# Allegro board RK3588_Template_LP4XD200P232SD10_32R6X52R0_2133MHz_H0R80_V10_20230220.brd (continued)
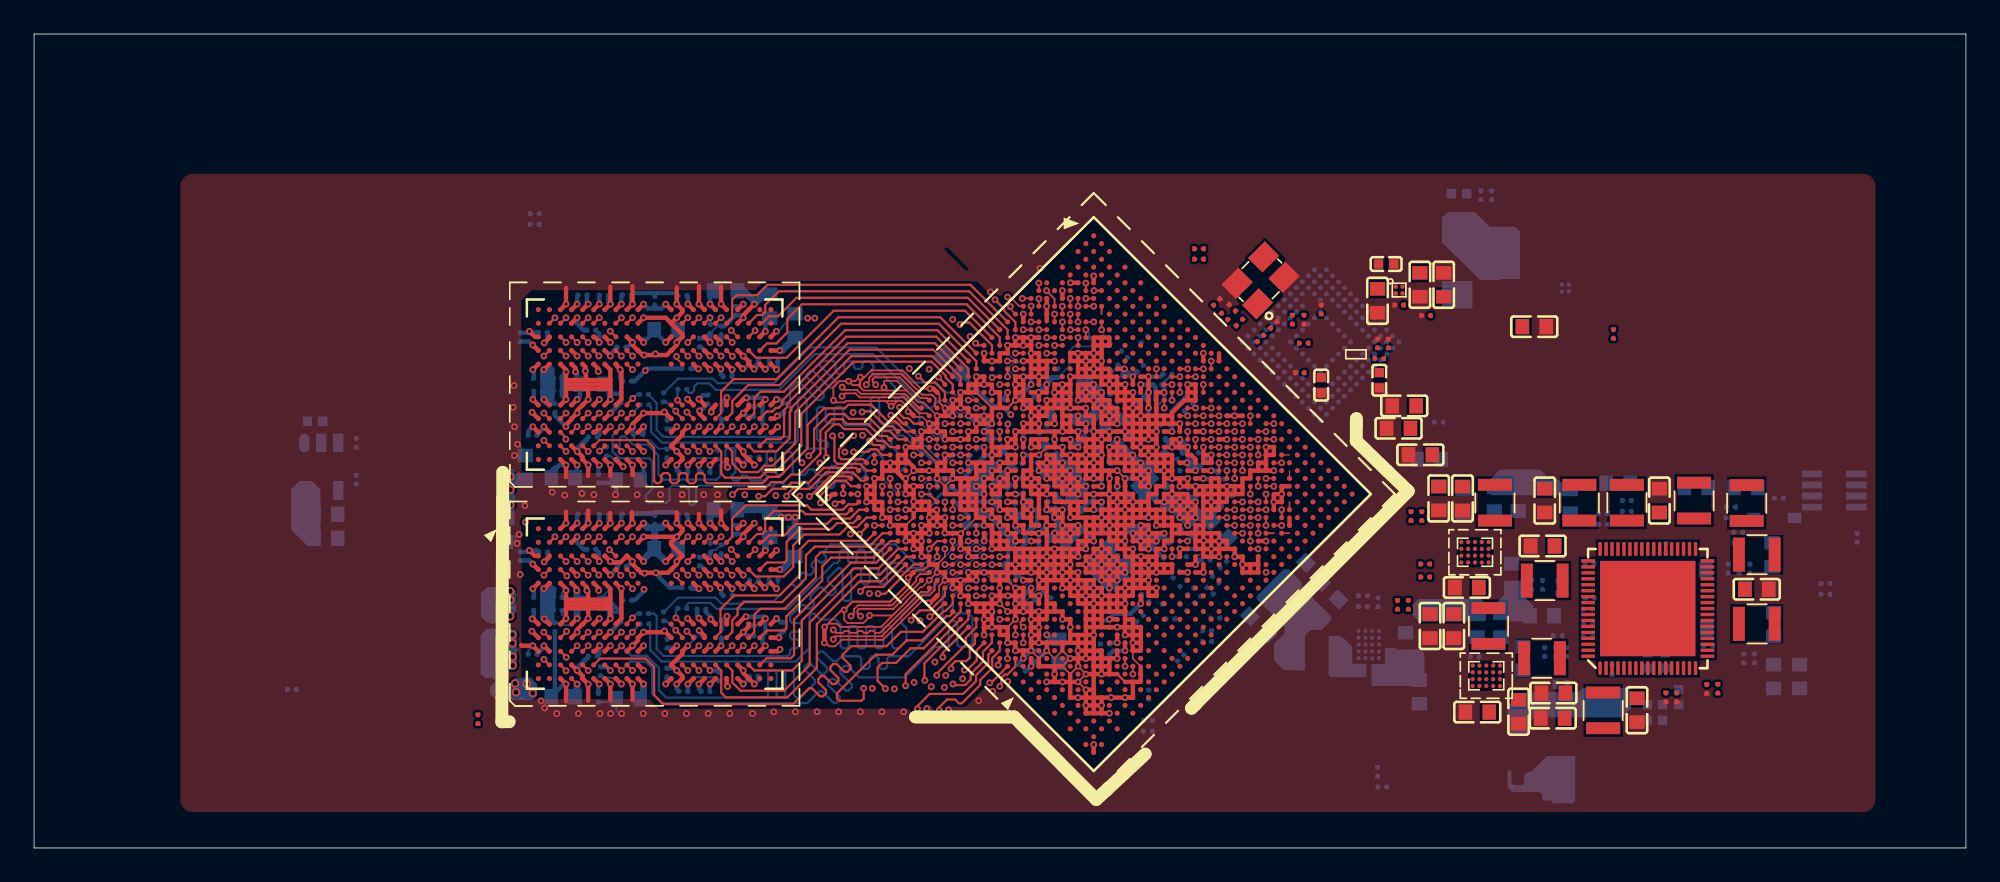
[diagram p0: board, top side]
## Routing (per net, layer and track width the routed paths; a pad name or vN(x,y) marks a point on that pad's centre or on a via; arc(x,y) is an arc through that point) (continued)
VCC_1V8_S0: length 34.7
  TOP w0.089: v1(58.97,14.81) 58.97,14.81 U1000.AA7
  TOP w0.254: v1(58.51,15.27) U1000.Y7 v1(58.97,14.81) 58.97,14.35 U1000.AA7 ; U1000.G20 v1(58.96,26.76) ; v1(58.96,26.76) U1000.H21 v1(59.43,27.22) ; v1(58.96,26.76) 58.97,26.74 U1000.H20 ; U1000.AJ20 68.63,16.2 v1(68.63,16.18) U1000.AJ19 ; v1(66.79,23.54) U1000.W26 v1(67.25,24) U1000.Y26 ; v1(66.79,23.54) U1000.W25 ; v1(66.79,23.54) U1000.Y26 ; U1000.Y26 67.71,23.54 v1(67.71,23.54) U1000.AA26 67.91,23.08 68.17,22.82 U1000.AB26 ; v1(68.63,21.7) U1000.AC25
  L6-S2 w0.203: v1(68.63,21.7) 68.63,20.19 69.19,19.63 69.19,18.83 69,18.64 68.44,18.64 68.19,18.38 68.19,17.2 68.63,16.76 v1(68.63,16.18)
  L8_S3 w0.254: v1(68.63,21.7) 68.63,22.62 v1(67.71,23.54) 67.71,23.54 v1(67.25,24) v1(66.79,23.54)
  BOTTOM w0.084: C4001.1 67.45,23.28 v1(67.71,23.54)
  BOTTOM w0.089: C4006.1 58.72,26.47 58.96,26.71 v1(58.96,26.76) ; C3995.1 60.74,28.28 60.74,29.16 61.03,29.46 62.12,29.46 62.26,29.59 63.1,29.59 R3839.1
  BOTTOM w0.254: 67.2,23.95 v1(67.25,24) 67.42,23.83 ; 67.2,23.95 66.93,23.95 ; 67.2,23.95 67.16,23.91 67.16,23.54 ; C4008.1 66.38,23.95 ; 66.38,23.95 66.61,23.72 ; 66.38,23.95 66.93,23.95 ; C3995.1 59.83,27.63 ; 59.83,27.63 59.5,27.63 C3999.1 59.47,27.26 ; 59.83,27.63 59.83,27.61 59.47,27.26 ; 66.93,23.95 66.93,23.6 66.99,23.54 ; 67.16,23.54 66.99,23.54 ; 67.16,23.54 67.37,23.33 67.37,23.18 67.58,23.38 ; 67.16,23.54 67.42,23.79 67.42,23.83 ; 66.99,23.54 v1(66.79,23.54) 66.61,23.72 ; 67.58,23.38 67.24,23.72 66.61,23.72 ; 67.58,23.38 67.71,23.51 v1(67.71,23.54) 67.42,23.83 67.42,23.83 ; C4007.1 68.93,21.68 68.65,21.68 v1(68.63,21.7) ; C4006.1 58.69,26.49 v1(58.96,26.76) 58.97,26.76 v1(59.43,27.22) 59.47,27.26 ; C3972.1 58.23,14.98 58.51,15.27 v1(58.51,15.27) ; 58.69,14.53 58.96,14.81 v1(58.97,14.81) 59.22,15.05 C3986.1
VCC_1V8_S3: length 47.5
  TOP w0.254: U3801.G4 v1(33.82,25.54) ; U3801.G9 v1(33.82,28.89) ; v1(39.06,25.67) 39.06,25.5 U3801.T4 ; U3801.T9 v1(39.67,28.89) ; U3800.F1 v1(33.17,9.62) ; U3801.U12 v1(39.67,31.94) ; U3800.G4 v1(33.82,12.67) ; v1(66.79,24.46) 66.33,24.46 U1000.V26 ; U3800.U1 v1(39.67,9.62) ; U3800.F12 v1(33.17,19.07) ; U3801.F1 v1(33.17,22.49) ; U3800.T9 v1(39.67,16.02) ; v1(65.41,25.84) U1000.R27 v1(65.41,26.76) U1000.P28 v1(65.41,27.67) U1000.N28 ; U3800.G9 v1(33.82,16.02) ; U3800.U12 v1(39.67,19.07) ; U3801.F12 v1(33.17,31.94) ; v1(39.04,12.77) 39.35,12.46 U3800.T4 ; U3801.U1 v1(39.67,22.49)
  L3-POWER1 w0.254: v1(65.41,25.84) 65.41,26.14 ; 65.41,26.15 65.41,26.04 ; 65.41,26.15 v1(65.41,26.76) v1(65.41,27.68)
  L4-S1 w0.254: v1(33.82,12.67) 33.82,12.77 34.15,13.1 35.51,13.1 35.58,13.17
  L8_S3 w0.254: v1(33.17,9.62) 33.57,10.02 39.27,10.02 v1(39.67,9.62) ; v1(39.67,22.49) 39.26,22.9 38.21,22.9 38.21,22.9 37.89,22.9 37.88,22.9 37.56,22.9 37.56,22.9 35.94,22.9 35.93,22.9 35.61,22.9 35.61,22.9 35.29,22.9 35.28,22.9 34.96,22.9 34.96,22.9 34.64,22.9 34.63,22.9 34.31,22.9 34.31,22.9 33.56,22.9 33.17,22.51 v1(33.17,22.49)
  BOTTOM w0.084: C3801.1 27.68,19.88 v2(27.95,20.15)
  BOTTOM w0.089: 67.16,26.04 67.19,26.04 R3828.1
  BOTTOM w0.102: C3850.1 39.66,22.47 v1(39.67,22.49) ; C3803.1 39.29,12.52 39.17,12.64
  BOTTOM w0.254: C3808.1 39.13,16.57 v1(39.67,16.02) ; C3804.1 39.66,9.61 v1(39.67,9.62) ; v1(39.04,12.77) 39.17,12.64 39.17,12.52 C3803.1 ; v1(33.82,12.67) 34.44,13.3 C3806.1 ; C3851.1 39.13,29.43 v1(39.67,28.89) ; C3852.1 33.82,29 v1(33.82,28.89) ; v1(33.17,9.62) 33.12,9.57 C3802.1 ; v1(33.17,31.94) 33.17,32.43 C3849.1 ; R3828.1 67.59,26.47 66.75,25.62 66.75,25.34 66.79,25.34 ; C3848.1 33.12,22.44 v1(33.17,22.49) ; v1(66.79,24.46) 66.79,25.34 ; 66.79,25.34 66.79,24.99 C3970.1 ; C3850.1 39.67,22.08 v1(39.67,22.49) ; v1(65.41,26.76) C3969.1 65.13,26.44 65.41,26.16 65.41,25.84 v1(65.41,25.84) 65.41,25.4 C3968.1 ; v1(33.17,19.07) 33.17,19.57 C3807.1 ; C3847.1 34.44,26.16 v1(33.82,25.54) ; C3964.1 66.24,27.82 66.1,27.68 v1(65.41,27.68) ; C3853.1 39.12,25.67 v1(39.06,25.67) ; v1(39.67,31.94) 39.67,32.52 C3845.1 ; v1(33.82,16.02) 34.25,16.45 C3805.1
  BOTTOM w0.406: C3800.1 39.67,19.65 v1(39.67,19.07)
  BOTTOM w0.635: C3846.1 28.1,21.64 v2(27.95,21.8)
  vias: v1(28.84,19.13) v2(27.95,21.04)
VCC_3V3_S0: length 0.9
  TOP w0.254: U1000.AC26 68.63,22.16 v1(69.09,22.16)
  BOTTOM w0.254: C4005.1 69.37,22.16 v1(69.09,22.16)
VCC_5V0_PWREN_H: length 0.5
  TOP w0.084: U1000.AE30 v1(71.38,22.62)
VCCA_1V8_S0: length 13.2
  TOP w0.089: U1000.N27 v1(64.49,27.67) ; U1000.K16 58.05,24
  TOP w0.254: U1000.AG14 v1(64.95,14.35) ; U1000.AG11 v1(63.11,13.43) ; U1000.N27 v1(64.49,27.67) ; v1(57.6,20.78) 57.14,20.78 U1000.M12 ; U1000.AH18 v1(67.71,16.18) ; 63.57,28.13 v1(64,28.13) ; v1(58.05,24) 58.05,24 U1000.K16 ; U1000.U18 v1(62.65,21.24)
  BOTTOM w0.084: C3984.1 64.75,27.93 v1(64.49,27.67) ; 63.82,28.13 63.8,28.13 63.74,28.2 63.74,28.21 63.6,28.35 C4003.1
  BOTTOM w0.089: C3965.1 62.65,21.69 v1(62.65,21.24)
  BOTTOM w0.254: v1(62.65,21.24) 62.64,21.25 C3965.1 ; C3978.1 63.06,13.37 v1(63.11,13.43) 63.11,13.45 63.41,13.76 64.36,13.76 v1(64.95,14.35) 65.01,14.41 C3975.1 ; v1(64.49,27.67) 64.49,27.71 C3984.1 ; v1(64.49,27.67) 64.46,27.67 v1(64,28.13) ; v1(64.49,27.67) 64.47,27.69 C3960.1 63.89,28.03 v1(64,28.13) ; v1(57.6,20.78) 57.98,20.78 C1217.1 ; C4003.1 63.82,28.13 v1(64,28.13) ; v1(58.05,24) 58.05,24.32 C1214.1
VCCA_3V3_S0: length 2.5
  TOP w0.254: 64.03,12.05 v1(64.03,11.59)
  BOTTOM w0.089: C3979.1 63.1,11.34 63.36,11.59 64.02,11.59 v1(64.03,11.59)
  BOTTOM w0.254: v1(64.03,11.59) 63.35,11.59 C3979.1
VDD2_DDR_S3: length 64
  TOP w0.102: U3800.R5 38.68,13.15 v1(38.35,13.47) ; 38.41,26.3 38.39,26.32 ; U3800.U8 40.27,15.28 v1(40.29,15.28) ; v1(40.3,28.12) 40.02,28.41 U3801.U8 ; U3801.R8 38.71,28.41 38.95,28.18 ; v1(39.74,25.59) 40,25.85 U3801.U5 ; 34.42,15.28 34.15,15.55 U3800.H8 ; 39.99,13.15 v1(39.71,13.43)
  TOP w0.254: U3800.N3 v1(37.72,11.87) ; U3800.N12 v1(37.07,19.07) ; U3801.K10 v1(35.77,29.69) ; U3800.F8 33.14,15.25 v1(33.14,15.12) ; U3800.AB4 v1(43.72,12.35) ; U3800.H5 34.47,13.47 34.47,15.23 v1(34.46,15.24) 34.42,15.28 34.4,15.28 34.15,15.53 U3800.H8 ; U3801.N10 v1(37.07,29.69) ; U3801.H8 34.22,28.34 34.22,28.29 34.39,28.12 v1(34.39,28.1) 34.39,28.07 34.47,27.99 34.47,26.34 U3801.H5 ; U3800.A9 v1(29.27,16.67) ; U1000.N8 v1(55.76,18.02) ; v1(38.35,13.47) 38.34,13.47 38.34,13.46 38.38,13.46 U3800.R5 ; U3800.K10 v1(35.77,16.82) ; v1(39.74,25.59) 39.74,25.76 U3801.U5 ; U3800.R12 v1(38.37,19.07) ; U3800.A4 v1(29.22,12.73) ; U3800.N10 v1(37.07,16.82) ; 38.39,26.32 v1(38.35,26.36) 38.35,26.32 38.35,26.32 38.35,26.3 38.41,26.3 U3801.R5 ; U3800.U5 39.99,13.15 39.75,13.39 39.75,13.43 v1(39.71,13.43) ; U3801.K1 v1(35.77,22.49) ; U3800.R8 v1(39.02,15.22) ; U3801.U8 40.27,28.14 40.32,28.14 40.32,28.12 v1(40.3,28.12) ; U3801.F8 33.11,28.14 v1(33.11,27.98) ; U1000.H13 v1(55.76,23.54) ; U3801.N1 v1(37.07,22.49) ; U3800.U8 40.02,15.55 v1(40.29,15.28) ; U3800.K1 v1(35.77,9.62) ; U3801.H12 v1(34.47,31.94) ; U3801.F5 v1(33.17,26.34) ; U3800.F5 v1(33.17,13.47) ; U3801.K3 v1(35.77,24.74) ; U3801.N3 v1(37.72,24.74) ; U3801.H1 v1(34.57,22.39) ; U3801.A4 v1(29.23,25.58) ; U3800.AB9 v1(43.77,16.35) ; v1(39,28.13) 38.95,28.18 38.93,28.18 U3801.R8 ; v1(43.62,25.37) 43.46,25.21 U3801.AB4 ; U3801.K12 v1(35.77,31.94) ; U3801.R1 v1(38.37,22.49) ; U3801.R12 v1(38.37,31.94) ; U3800.R1 v1(38.37,9.62) ; U3800.H1 v1(34.47,9.62) ; U3800.K3 v1(35.77,11.87) ; U3800.H12 v1(34.47,19.07) ; U3801.AB9 v1(43.77,29.21) ; U3801.N12 v1(37.07,31.94) ; U3800.N1 v1(37.07,9.62) ; U3800.K12 v1(35.77,19.07) ; U3801.A9 v1(29.27,29.54)
  BOTTOM w0.084: C3812.1 36.43,18.82
  BOTTOM w0.102: v1(38.37,9.62) 38.77,10.02 39.85,10.02 40.05,9.82 R3807.2 ; v1(34.47,9.62) 34.11,9.99 33.49,9.99 33.35,10.12 R3806.1 ; v1(43.62,25.37) 43.86,25.61 C3864.1 ; v1(38.37,22.49) 38.77,22.89 40.07,22.89 R3817.2
  BOTTOM w0.127: v1(34.57,22.39) 34.47,22.39 33.83,23.03 R3816.1
  BOTTOM w0.254: v1(39.71,13.43) 39.75,13.43 39.75,13.54 39.42,13.87 C3820.1 ; C3866.1 37.59,24.61 v1(37.72,24.74) ; C3854.1 36.39,30.37 ; 36.39,30.37 36.39,30.31 v1(35.77,29.69) ; 36.39,30.37 v1(37.07,29.69) ; C3859.1 34.47,32.4 v1(34.47,31.94) ; v1(38.37,9.62) 38.36,9.61 C3821.1 ; C3860.1 40.3,27.84 v1(40.3,28.12) ; C3819.1 38.37,19.5 v1(38.37,19.07) ; C3865.1 38.36,22.48 v1(38.37,22.49) ; v1(34.47,19.07) 34.47,19.54 C3818.1 ; v1(38.37,31.94) 38.37,32.36 C3862.1 ; C3813.1 29.06,16.88 v1(29.27,16.67) ; C3855.1 35.77,21.82 v1(35.77,22.49) ; C3817.1 37.14,9.69 v1(37.07,9.62) ; v1(37.07,31.94) 36.82,31.68 36.43,31.68 ; 36.43,31.68 36.43,31.88 C3857.1 ; 36.43,31.68 36.03,31.68 v1(35.77,31.94) ; C3867.1 35.77,24.35 v1(35.77,24.74) ; v1(34.46,15.24) 34.47,15.23 34.47,14.64 C3815.1 ; C3861.1 38.97,28.15 v1(39,28.13) ; C3814.1 43.72,12.47 v1(43.72,12.35) ; v1(34.39,28.1) 34.39,27.58 C3868.1 ; v1(43.62,25.37) 43.75,25.37 C3864.1 ; C3816.1 38.6,15.22 v1(39.02,15.22) ; C3858.1 29.06,29.75 v1(29.27,29.54) ; C1216.1 55.84,18.11 v1(55.76,18.02) ; C3863.1 37.14,22.56 v1(37.07,22.49) ; C3822.1 40.32,14.96 40.32,15.25 v1(40.29,15.28) ; C1219.1 55.42,23.54 v1(55.76,23.54) ; C3823.1 37.59,11.75 v1(37.72,11.87)
  BOTTOM w0.406: v1(43.77,29.21) 43.89,29.21 C3856.1 ; C3811.1 35.77,16.95 v1(35.77,16.82) ; C3811.1 36.39,17.5 v1(37.07,16.82) ; C3811.1 36.43,17.61 36.43,18.82 ; C3810.1 35.77,8.96 v1(35.77,9.62) ; v1(35.77,19.07) 36.03,18.82 36.43,18.82 ; v1(43.77,16.35) 43.89,16.35 C3809.1 ; 36.43,18.82 36.82,18.82 v1(37.07,19.07) ; v1(35.77,29.69) 35.77,29.81
  vias: v2(27.94,13.61) v2(27.94,15.07) v2(27.94,14.57)
VDD_0V75_S0: length 35.5
  TOP w0.254: v1(58.51,10.67) 58.51,11.13 U1000.AD3 ; 63.57,21.7 U1000.V20 v1(63.57,21.24) ; U1000.AG20 v1(67.25,17.56) U1000.AG19 ; U1000.AB25 v1(68.17,22.16) ; U1000.AA25 v1(67.66,22.62)
  L4-S1 w0.084: 67.12,16.08 67.58,16.53 67.58,17.23 v1(67.25,17.56) ; v1(67.25,17.56) 66.81,17.56 66.48,17.23 66.48,16.98 66.66,16.8 66.72,16.8 66.82,16.69 67.25,17.11 v1(67.25,17.56)
  L4-S1 w0.254: 66.82,16.69 66.82,16.38 67.12,16.08
  L6-S2 w0.084: v1(67.25,17.56) 67.25,18.96 67.86,19.57 67.86,19.58 68.01,19.73 68.01,19.99 67.86,20.14 67.86,21.37 68.17,21.67 v1(68.17,22.16) ; v1(63.57,21.24) 63.57,20.8 58.21,15.43 58.21,14.22 59.28,13.15 59.28,12.83 59.14,12.68 59.14,12.39 59.32,12.21 59.32,11.9 58.97,11.56 58.97,11.12 v1(58.51,10.67)
  BOTTOM w0.084: C3990.1 67.89,22.84 v1(67.66,22.62)
  BOTTOM w0.089: C3998.1 58.51,27.22 v1(58.51,27.22)
  BOTTOM w0.254: 67.95,22.38 67.73,22.6 67.68,22.6 v1(67.66,22.62) ; 67.95,22.38 v1(68.17,22.16) ; 67.95,22.38 67.96,22.39 67.96,22.93 67.88,22.93 67.76,22.81 ; 68.03,22.16 67.77,22.42 ; 68.03,22.16 v1(68.17,22.16) ; 68.03,22.16 67.77,22.16 C3991.1 67.77,22.42 ; 67.77,22.42 67.79,22.44 68.22,22.44 ; 67.77,22.42 67.66,22.52 v1(67.66,22.62) ; C3992.1 68.19,17.56 68.13,17.56 ; 67.76,22.81 67.85,22.81 68.22,22.44 ; 67.76,22.81 67.66,22.72 v1(67.66,22.62) ; v1(68.17,22.16) 68.45,22.44 ; C3962.1 58.81,10.96 v1(58.51,10.67) ; 68.13,17.56 v1(67.25,17.56) ; 68.13,17.56 68.16,17.59 ; C3985.1 v1(58.51,27.21) 58.51,27.62 C3998.1 ; v1(58.51,10.67) 58.25,10.4 58.18,10.4 ; v1(58.51,10.67) 58.51,10.64 ; 68.22,22.44 68.45,22.44 ; v1(63.57,21.24) 63.57,20.91 C3963.1 ; C3997.1 68.45,22.44
VDD_0V75_S3: length 2.6
  TOP w0.089: U1000.P27 v1(64.95,27.22)
  TOP w0.254: U1000.P27 v1(64.95,27.22)
  BOTTOM w0.254: v1(64.95,27.22) 64.96,27.2 C3967.1 65.82,27.07 C3966.1
VDD_CPU_BIG0_S0: length 43
  TOP w0.254: U1000.N16 v1(59.43,21.7) U1000.P16 ; U1000.N16 59.43,22.16 v1(59.43,22.62) ; U1000.N16 59.89,22.16 ; U1000.N16 v1(58.97,22.16) U1000.M16 58.97,22.62 v1(59.43,22.62) ; 60.81,20.78 60.35,20.78 U1000.R16 ; 60.81,20.78 v1(60.81,21.24) ; 60.81,20.78 v1(61.27,20.78) 61.27,21.24 ; v1(60.81,21.24) U1000.R16 ; v1(60.81,21.24) U1000.T17 ; v1(60.81,21.24) 60.81,21.7 ; v1(59.43,22.62) U1000.M17 59.43,23.08 59.89,23.08 59.89,22.62 U1000.N17 ; v1(59.43,22.62) U1000.N17 ; U1000.R16 59.89,21.24 59.89,21.7 U1000.P16 ; U1000.R16 v1(60.35,21.7) ; U1000.T17 v1(61.73,21.24) ; U1000.T17 61.27,21.24 ; U1000.P16 v1(60.35,21.7) ; U1000.P16 59.89,22.16 ; v1(60.35,21.7) 60.81,21.7 ; v1(60.35,21.7) U1000.P17 ; U1000.M19 v1(60.81,24) U1000.N19 v1(61.27,23.54) ; U1000.N17 v1(60.35,22.62) U1000.P17 ; U1000.N17 59.89,22.16 ; 61.27,21.24 v1(61.27,21.7) 60.81,21.7 ; U1000.P17 v1(60.81,22.16) 60.81,21.7 ; U1000.P17 59.89,22.16 ; 60.81,21.7 60.81,21.7
  BOTTOM w0.254: v1(61.27,20.78) 61.36,20.7 C3899.1 61.72,21.23 ; C3898.1 60.93,22.28 60.81,22.16 ; C3898.1 60.37,22.61 v1(60.35,22.62) ; C3898.1 C3909.1 ; 58.97,22.16 v1(58.97,22.16) v1(59.43,22.62) 59.43,22.34 ; 58.97,22.16 v1(60.81,22.16) ; 58.97,22.16 v1(59.43,21.7) ; C3909.1 60.81,22.16 ; C3909.1 61.38,21.81 v1(61.27,21.7) v1(61.73,21.24) ; 60.81,22.16 v1(60.81,22.16) ; v1(60.81,22.16) 60.63,22.34 59.43,22.34 ; 59.43,22.34 v1(59.43,21.7) ; C3908.1 60.35,21.69 ; C3908.1 C3900.1 ; C3908.1 60.44,21.13 ; 60.35,21.69 60.22,21.57 C3900.1 ; 60.35,21.69 v1(60.35,21.7) ; C3902.1 60.77,20.8 ; 60.77,20.8 60.77,21.2 ; 60.77,20.8 60.44,21.13 ; v1(60.81,24) v1(61.27,23.54) ; C3900.1 59.78,21.7 v1(59.43,21.7) ; 60.77,21.2 v1(60.81,21.24) 61.27,20.78 ; 60.77,21.2 60.7,21.13 60.44,21.13
  BOTTOM w0.381: 60.93,22.28 60.6,22.62 v1(60.35,22.62) ; 59.64,22.62 v1(60.35,22.62) ; 59.64,22.62 C3901.1 60.35,22.63 v1(60.35,22.62) ; 59.64,22.62 v1(59.43,22.62) ; v1(61.27,23.54) 61.27,23.74 C3903.1
  BOTTOM w0.406: 59.93,21.97 61.12,20.78 v1(61.27,20.78) ; 59.93,21.97 59.74,22.16 ; 59.93,21.97 59.43,21.97 ; v1(61.27,20.78) 61.52,21.02 ; v1(61.27,20.78) 61.01,20.52 C3902.1 ; 61.52,21.02 61.45,21.02 60.13,22.34 ; 61.52,21.02 v1(61.73,21.24) v1(60.81,22.16)
  vias: v1(72.31,16.19)
VDD_CPU_BIG1_S0: length 44.5
  TOP w0.254: 63.57,25.38 63.57,25.84 63.57,25.84 U1000.N24 ; 63.57,25.38 U1000.P24 ; 63.57,25.38 U1000.P24 ; 63.57,25.38 v1(63.57,24.92) U1000.P23 ; U1000.M24 62.65,26.75 v1(62.65,26.75) 62.65,26.76 U1000.L24 ; U1000.M24 v1(62.65,25.84) ; U1000.M24 63.11,26.3 U1000.N24 ; U1000.M24 v1(62.19,26.3) ; U1000.L24 v1(62.19,26.3) ; U1000.L24 62.19,26.76 v1(62.19,27.22) U1000.K24 ; U1000.L24 v1(61.73,26.76) ; v1(62.19,26.3) U1000.L23 ; v1(62.19,26.3) U1000.M23 v1(62.65,25.84) ; v1(62.65,25.84) U1000.N24 ; v1(62.65,25.84) U1000.N23 ; v1(63.11,25.38) U1000.N24 ; v1(63.11,25.38) U1000.N23 ; v1(63.11,25.38) U1000.P24 ; v1(63.11,25.38) U1000.P23 ; U1000.P23 62.65,24.92 U1000.N23 ; 61.73,26.76 U1000.K23 ; 61.73,26.76 U1000.K24 ; 61.73,26.76 v1(61.73,26.76) ; U1000.K23 61.27,26.76 v1(61.27,26.3) U1000.L23 ; U1000.K23 61.27,26.76 61.27,27.22 U1000.K24 ; U1000.L23 v1(61.73,26.76) ; 61.73,24.46 U1000.N21 v1(61.73,24.92) 61.27,24.92 U1000.M21 v1(61.27,25.38)
  L3-POWER1 w0.254: v1(61.27,25.38) v1(61.73,24.92)
  BOTTOM w0.254: 62.36,26.46 v1(62.65,26.75) ; 62.36,26.46 62.36,26.39 62.65,26.09 ; 62.36,26.46 62.19,26.3 v1(62.19,26.3) ; 62.07,25.16 C3914.1 62.2,25.38 v1(61.27,25.38) ; 62.07,25.16 61.83,24.92 v1(61.73,24.92) 61.17,24.92 ; 62.07,25.16 60.93,25.16 ; C3931.1 60.73,25.35 60.93,25.16 60.93,25.16 ; C3931.1 60.75,25.38 v1(61.27,25.38) ; C3931.1 60.93,25.16 ; v1(61.27,25.38) 61.27,25.03 C3932.1 61.17,24.92 ; 62.65,26.41 C3912.1 ; 60.93,25.16 60.97,25.12 ; C3911.1 63.23,25.49 v1(63.11,25.38) 63.63,25.38 C3913.1 63.66,25 ; v1(62.19,27.22) 62.04,27.36 C3910.1 62.04,27.64 61.85,27.45 61.82,27.45 61.73,27.37 C3915.1 61.41,27.08 v1(61.73,26.76) ; 61.17,24.92 60.97,25.12 ; 60.97,25.12 61.9,25.12 ; 62.05,25.41 62.04,25.43 ; 62.79,25.98 v1(62.65,25.84)
  BOTTOM w0.381: 61.97,26.99 v1(62.19,27.22) v1(62.65,26.75) ; 61.97,26.99 61.79,26.99 C3915.1 ; 61.97,26.99 61.73,26.76 v1(61.73,26.76) 61.5,26.53 ; v1(62.65,25.84) 62.19,26.3 v1(62.19,26.3) ; v1(62.65,25.84) v1(63.11,25.38) ; v1(62.65,25.84) 62.65,25.74 62.47,25.55 ; v1(62.19,26.3) 61.73,26.75 ; v1(62.19,26.3) 61.96,26.53 61.5,26.53 ; v1(61.73,24.92) 61.73,24.95 62.11,25.33 C3914.1 ; v1(61.27,26.3) 61.5,26.53
  BOTTOM w0.406: C3916.1 64.05,25 ; 64.05,25 64.05,25.01 C3913.1 C3911.1 C3912.1 62.79,25.87 63.66,25 ; 64.05,25 63.66,25 63.66,25 ; v1(61.73,26.76) 61.73,26.75 v1(62.65,26.75) 62.65,26.41 62.65,25.74 62.65,25.74 ; 62.94,25.55 v1(62.65,25.84) 62.45,25.84 62.04,25.43 ; 62.94,25.55 v1(63.11,25.38) v1(63.57,24.92) 63.66,25 ; 62.94,25.55 62.47,25.55 C3914.1 ; v1(62.19,27.22) v1(62.19,26.3)
VDD_CPU_LIT_S0: length 53.8
  TOP w0.254: U1000.U22 v1(64.49,23.08) U1000.V22 ; U1000.U22 63.57,23.08 ; U1000.U22 64.03,23.54 63.57,23.54 ; U1000.U22 U1000.V21 64.49,22.16 ; v1(64.95,21.7) U1000.W22 ; v1(64.95,21.7) U1000.W21 64.49,22.16 ; v1(64.95,21.7) U1000.Y21 v1(65.41,21.24) U1000.Y22 ; v1(64.95,21.7) U1000.Y22 ; U1000.W22 64.49,22.16 ; U1000.W22 v1(64.95,22.62) U1000.V22 ; U1000.W22 v1(65.41,22.16) U1000.Y22 ; U1000.T21 63.55,23.08 63.56,23.07 ; U1000.T21 63.11,23.53 v1(63.11,23.54) 63.11,23.54 U1000.T22 ; U1000.T21 63.11,22.62 U1000.U21 ; 63.57,23.54 U1000.T22 ; 63.57,23.54 v1(63.57,24) ; 63.57,23.54 U1000.T22 ; 63.57,23.54 63.57,23.08 ; 64.49,22.16 U1000.V22 ; U1000.V22 U1000.U21 ; U1000.U21 63.57,22.62 63.57,23.06 63.56,23.07 ; 63.57,23.08 63.56,23.07
  L9_GND4 w0.084: v1(65.41,22.16) 65.87,21.7 65.87,21.7 65.92,21.75 66.31,21.75 66.4,21.84 66.46,21.84 66.65,22.03 66.65,22.08 66.89,22.32 66.89,22.54 ; v1(65.41,22.16) v1(64.95,21.7) 64.49,21.24 64.95,20.78 64.95,21.03 65.43,21.51 65.55,21.51 65.56,21.51 65.56,21.39 v1(65.41,21.24) ; v1(65.41,22.16) 65.05,22.52 ; v1(64.95,22.62) v1(64.49,23.08) v1(63.57,24) 63.57,23.99 v1(63.11,23.54)
  BOTTOM w0.084: C3940.1 65.71,22.46 v1(65.41,22.16)
  BOTTOM w0.254: 63.32,23.75 63.11,23.54 v1(63.11,23.54) 63.66,23.54 C3942.1 ; 63.32,23.75 63.44,23.75 63.57,23.62 ; 63.32,23.75 v1(63.57,24) 63.57,24 ; 63.57,24 v1(64.49,23.08) ; 63.57,24 63.57,23.81 ; v1(64.49,23.08) 64.11,23.08 ; v1(64.49,23.08) 64.39,22.98 64.39,22.8 ; v1(64.49,23.08) v1(64.95,22.62) ; v1(64.49,23.08) 64.49,22.7 64.41,22.62 C3953.1 ; 64.68,22.6 64.68,22.71 63.57,23.81 ; 64.68,22.6 64.93,22.6 v1(64.95,22.62) ; 64.68,22.6 C3953.1 ; v1(64.95,21.7) 65.87,21.7 ; v1(64.95,21.7) 64.95,22.04 64.83,22.16 ; v1(64.95,21.7) 65.17,21.92 ; v1(64.95,21.7) v1(65.41,21.24) ; v1(64.95,21.7) 64.66,21.41 ; v1(64.95,21.7) 64.95,20.78 ; 65.87,21.7 65.87,21.7 65.64,21.47 ; 65.87,21.7 65.57,22 ; C3939.1 64.85,22.18 64.95,22.28 v1(64.95,22.62) ; C3939.1 64.83,22.16 ; C3939.1 64.64,22.35 ; 64.83,22.16 v1(65.41,22.16) ; 65.17,21.92 65.26,22.01 ; 65.17,21.92 65.17,22.62 ; 65.26,22.01 v1(65.41,22.16) ; 65.26,22.01 65.26,20.78 ; 64.69,21.04 65.21,21.04 ; 64.69,21.04 64.95,20.78 ; 64.69,21.04 64.49,21.24 ; 65.21,21.04 64.95,20.78 ; 65.21,21.04 v1(65.41,21.24) ; 65.57,22 v1(65.41,22.16) ; 65.57,22 65.57,21.4 ; v1(65.41,22.16) 65.36,22.21 65.36,22.62 ; v1(65.41,22.16) 65.41,22.33 65.66,22.58 ; v1(65.41,22.16) v1(65.41,21.24) ; 64.11,23.08 C3942.1 ; 64.11,23.08 64.39,22.8 ; 64.49,21.24 64.66,21.41 ; 64.49,21.24 v1(65.41,21.24) ; 64.66,21.41 65.24,21.41 v1(65.41,21.24) ; 65.64,22.41 65.58,22.35 64.64,22.35 ; 65.64,22.41 C3940.1 65.57,22.62 65.36,22.62 ; 65.64,22.41 65.64,21.47 ; 65.57,21.4 v1(65.41,21.24) ; 65.57,21.4 65.64,21.47 ; 63.57,23.81 63.57,23.62 ; v1(65.41,21.24) 65.41,20.92 C3941.1 ; 64.64,22.35 C3953.1 ; 65.26,20.78 64.95,20.78 ; 65.26,20.78 65.55,20.78 C3941.1 ; 64.95,20.78 64.95,20.47 C3954.1 65.08,20.35 65.29,20.56 ; 64.95,20.78 65.17,20.56 65.29,20.56 ; C3942.1 63.57,23.62 ; 64.39,22.8 C3953.1 ; 65.17,22.62 v1(64.95,22.62) ; 65.17,22.62 65.36,22.62 ; C3941.1 65.74,20.56 65.29,20.56
VDD_DDR_S0: length 37.6
  TOP w0.254: 58.97,24 58.51,24 v1(58.51,23.54) U1000.L17 58.97,23.54 58.97,24 ; 58.97,24 58.97,24 U1000.L18 ; v1(58.06,20.32) 58.06,19.86 ; v1(58.06,20.32) U1000.N13 ; v1(58.06,20.32) U1000.P13 v1(58.51,19.86) ; 58.06,19.86 v1(58.51,19.86) ; 58.05,19.86 U1000.P12 58.06,19.4 U1000.R12 ; U1000.L13 57.13,21.69 57.13,21.25 56.68,21.25 56.68,21.24 ; U1000.L13 v1(57.14,22.16) U1000.L14 ; U1000.L13 v1(56.68,21.7) 56.68,21.7 56.68,21.24 ; 58.97,18.94 U1000.T12 58.51,18.94 U1000.R12 ; v1(58.51,18.02) U1000.U11 58.97,18.02 ; v1(58.51,19.86) U1000.R12 ; 56.68,21.24 56.68,20.78 U1000.L11 v1(56.22,21.24) U1000.L12 56.68,21.24
  L7-GND3 w0.084: 58.1,22.06 58.1,20.94 58.06,20.89 v1(58.06,20.32) v1(58.51,19.86) ; 58.1,22.06 58.51,22.47 v1(58.51,23.54) 58.51,23.85 59.34,24.67 59.71,24.67 59.77,24.61 60.02,24.61 60.25,24.84 61.22,24.84 62,25.62 62.43,25.62 62.52,25.53 62.78,25.53 62.93,25.68 63.86,25.68 64.66,24.88 ; 58.1,22.06 57.24,22.06 v1(57.14,22.16) v1(56.68,21.7) v1(56.22,21.24)
  BOTTOM w0.254: 58.87,19.14 58.17,18.44 58.17,18.23 ; 58.87,19.14 C1220.1 ; 58.87,19.14 58.87,19.67 58.94,19.75 ; 58.17,18.23 58.17,18.21 ; 58.17,18.23 C1229.1 ; 58.17,18.21 58.17,17.86 C1226.1 ; 58.17,18.21 58.36,18.02 v1(58.51,18.02) ; v1(58.51,23.54) 58.51,23.88 C1228.1 ; 58.94,19.75 58.83,19.86 v1(58.51,19.86) 58.49,19.88 C1225.1 58.16,20.43 v1(58.06,20.32) ; 58.94,19.75 C1223.1 ; 57.2,22.22 57.21,22.23 C1231.1 57.2,22.65 ; 57.2,22.22 57.2,22.65 ; 57.2,22.22 v1(57.14,22.16) ; 57.2,22.65 57.14,22.71 57.14,23.04 C1221.1 ; 56.82,21.7 v1(56.68,21.7)
  BOTTOM w0.406: 56.93,21.95 56.93,21.5 C1227.1 57.06,21.31 v1(56.68,21.7) ; 56.93,21.95 v1(57.14,22.16) ; 56.93,21.95 v1(56.68,21.7) ; v1(56.22,21.24) v1(56.68,21.7) ; v1(58.51,19.86) v1(58.06,20.32)
VDD_GPU_S0: length 44.8
  TOP w0.254: v1(62.19,17.1) U1000.AA14 v1(62.65,17.56) ; v1(62.19,17.1) U1000.AA13 v1(61.73,16.64) ; v1(62.19,17.1) U1000.AB14 ; v1(62.19,17.1) U1000.AB13 ; U1000.AD13 v1(63.57,15.73) U1000.AD14 ; U1000.AD13 v1(63.11,15.27) ; U1000.AD13 v1(62.65,15.73) U1000.AC13 ; U1000.AD13 v1(63.11,16.18) ; v1(63.57,16.64) U1000.AC14 ; v1(63.57,16.64) U1000.AD14 ; v1(63.57,16.64) 63.57,16.64 U1000.AD15 v1(64.03,16.19) U1000.AD14 ; v1(63.57,16.64) U1000.AC15 v1(63.11,17.1) ; U1000.AC14 v1(63.11,16.18) ; U1000.AC14 v1(62.65,16.64) ; U1000.AC14 v1(63.11,17.1) ; v1(63.11,17.1) U1000.AB15 v1(62.65,17.56) ; v1(63.11,17.1) U1000.AB14 ; U1000.AD14 v1(63.11,16.18) ; U1000.AB14 v1(62.65,17.56) ; U1000.AB14 v1(62.65,16.64) ; v1(61.73,16.64) U1000.AB13 ; v1(61.73,16.64) U1000.AB12 62.19,16.18 ; v1(61.73,16.64) U1000.AA12 ; U1000.AB13 v1(62.65,16.64) ; U1000.AB13 62.19,16.18 ; v1(63.11,16.18) U1000.AC13 ; U1000.AC13 v1(62.65,16.64) ; U1000.AC13 62.19,16.18 ; U1000.AA15 v1(62.65,17.56)
  L9_GND4 w0.084: 64.18,20.19 64.18,20.16 64.34,20 64.35,20 ; 64.36,20.01 64.38,19.99 64.62,19.99 64.8,20.16 64.8,20.19
  BOTTOM w0.084: C3896.1 64.35,16.82
  BOTTOM w0.254: C3891.1 62.65,15.93 v1(62.65,15.73) ; 63.61,16.68 63.61,17.17 63.59,17.15 63.54,17.1 v1(63.11,17.1) ; 64.03,16.5 63.72,16.5 ; 64.03,16.5 64.35,16.82 ; 64.03,16.5 v1(64.03,16.19) 64.03,16 64.21,15.82 C3897.1 ; C3893.1 63.52,15.14 63.52,15.68 v1(63.57,15.73) ; v1(63.11,15.27) 63.11,14.72 63.14,14.69 63.12,14.67 ; C3895.1 62.87,17.56 v1(62.65,17.56)
  BOTTOM w0.406: 62.92,17.83 63.08,17.99 C3895.1 63.3,17.29 v1(63.11,17.1) ; 62.92,17.83 v1(62.65,17.56) ; 62.92,17.83 62.92,17.3 v1(63.11,17.1) ; v1(64.03,16.19) 63.8,16.42 ; v1(64.03,16.19) 64.37,16.52 C3896.1 63.73,16.81 v1(63.57,16.64) ; v1(64.03,16.19) v1(63.57,15.73) 63.11,15.27 v1(63.11,15.27) 62.87,15.51 ; 63.8,16.42 63.78,16.42 62.87,15.51 ; 63.8,16.42 v1(63.57,16.64) ; v1(61.73,16.64) v1(62.65,16.64) ; v1(61.73,16.64) v1(62.65,15.73) ; v1(61.73,16.64) v1(62.19,17.1) ; v1(62.65,16.64) v1(62.65,17.56) ; v1(62.65,16.64) 62.65,16.02 62.8,15.87 ; v1(62.65,16.64) v1(63.57,16.64) ; v1(63.57,16.64) 63.11,17.1 ; v1(63.57,16.64) v1(63.11,16.18) ; v1(62.65,17.56) v1(62.19,17.1) ; v1(62.65,17.56) 63.11,17.1 ; 63.11,17.1 v1(62.19,17.1) ; v1(63.11,16.18) 62.8,15.87 ; v1(63.11,16.18) v1(62.19,17.1) ; 62.8,15.87 v1(62.65,15.73) ; v1(63.11,17.1) 63.11,16.89 C3891.1 62.19,16.39 v1(62.19,17.1) ; 62.87,15.51 v1(62.65,15.73)
VDD_LOG_S0: length 30.5
  TOP w0.254: 65.87,18.48 U1000.AD19 v1(65.41,18.48) ; 65.87,18.48 v1(65.87,18.02) U1000.AD18 ; 65.87,18.48 v1(66.33,18.48) ; U1000.K19 v1(59.89,24.92) 59.89,24.92 U1000.K20 ; v1(65.41,18.48) U1000.AC18 ; v1(65.41,18.48) U1000.AD18 ; v1(65.41,18.48) U1000.AC19 v1(64.95,18.94) U1000.AC18 ; v1(64.95,18.02) 64.95,17.56 U1000.AD17 v1(65.41,17.56) U1000.AD18 ; v1(64.95,18.02) U1000.AD18 ; v1(64.95,18.02) U1000.AC17 v1(64.49,18.48) U1000.AC18 ; v1(64.95,18.02) U1000.AC18 ; U1000.V16 v1(62.19,19.86) U1000.V17 v1(62.65,20.32)
  L5-GND2 w0.084: 69.1,18.62 69.1,18.87
  BOTTOM w0.254: v1(64.95,18.02) v1(65.41,18.48) ; v1(64.95,18.02) v1(64.49,18.48) ; v1(64.95,18.02) v1(64.95,18.94) v1(65.41,18.48) ; v1(64.95,18.02) v1(65.41,17.56) ; v1(65.41,18.48) 65.22,18.48 ; v1(65.41,18.48) v1(65.87,18.02) ; v1(65.41,18.48) v1(66.33,18.48) ; 65.22,18.48 64.99,18.72 64.72,18.72 ; 65.22,18.48 64.7,18.48 ; 66.09,18.24 v1(66.33,18.48) ; 66.09,18.24 64.94,18.24 64.7,18.48 ; 66.09,18.24 v1(65.87,18.02) ; v1(66.33,18.48) 66.33,18.28 C3923.1 ; v1(65.41,17.56) v1(65.87,18.02) ; v1(65.41,17.56) 65.73,17.56 C3926.1 65.86,17.45 C3927.1 ; 59.61,25.2 59.61,24.95 C3925.1 59.45,24.78 59.58,24.92 v1(59.89,24.92) ; 59.61,25.2 v1(59.89,24.92) ; 59.61,25.2 C3924.1 ; 64.72,18.72 64.84,18.83 ; 64.72,18.72 v1(64.49,18.48) ; v1(59.89,24.92) 59.89,25.25 59.6,25.55 ; v1(64.49,18.48) 64.7,18.48 ; v1(64.49,18.48) C3922.1 ; v1(62.65,20.32) 62.65,20 C3928.1 62.74,19.86 v1(62.19,19.86)